# Allegro board P2597_B04_Allegro_layout.brd (continued)
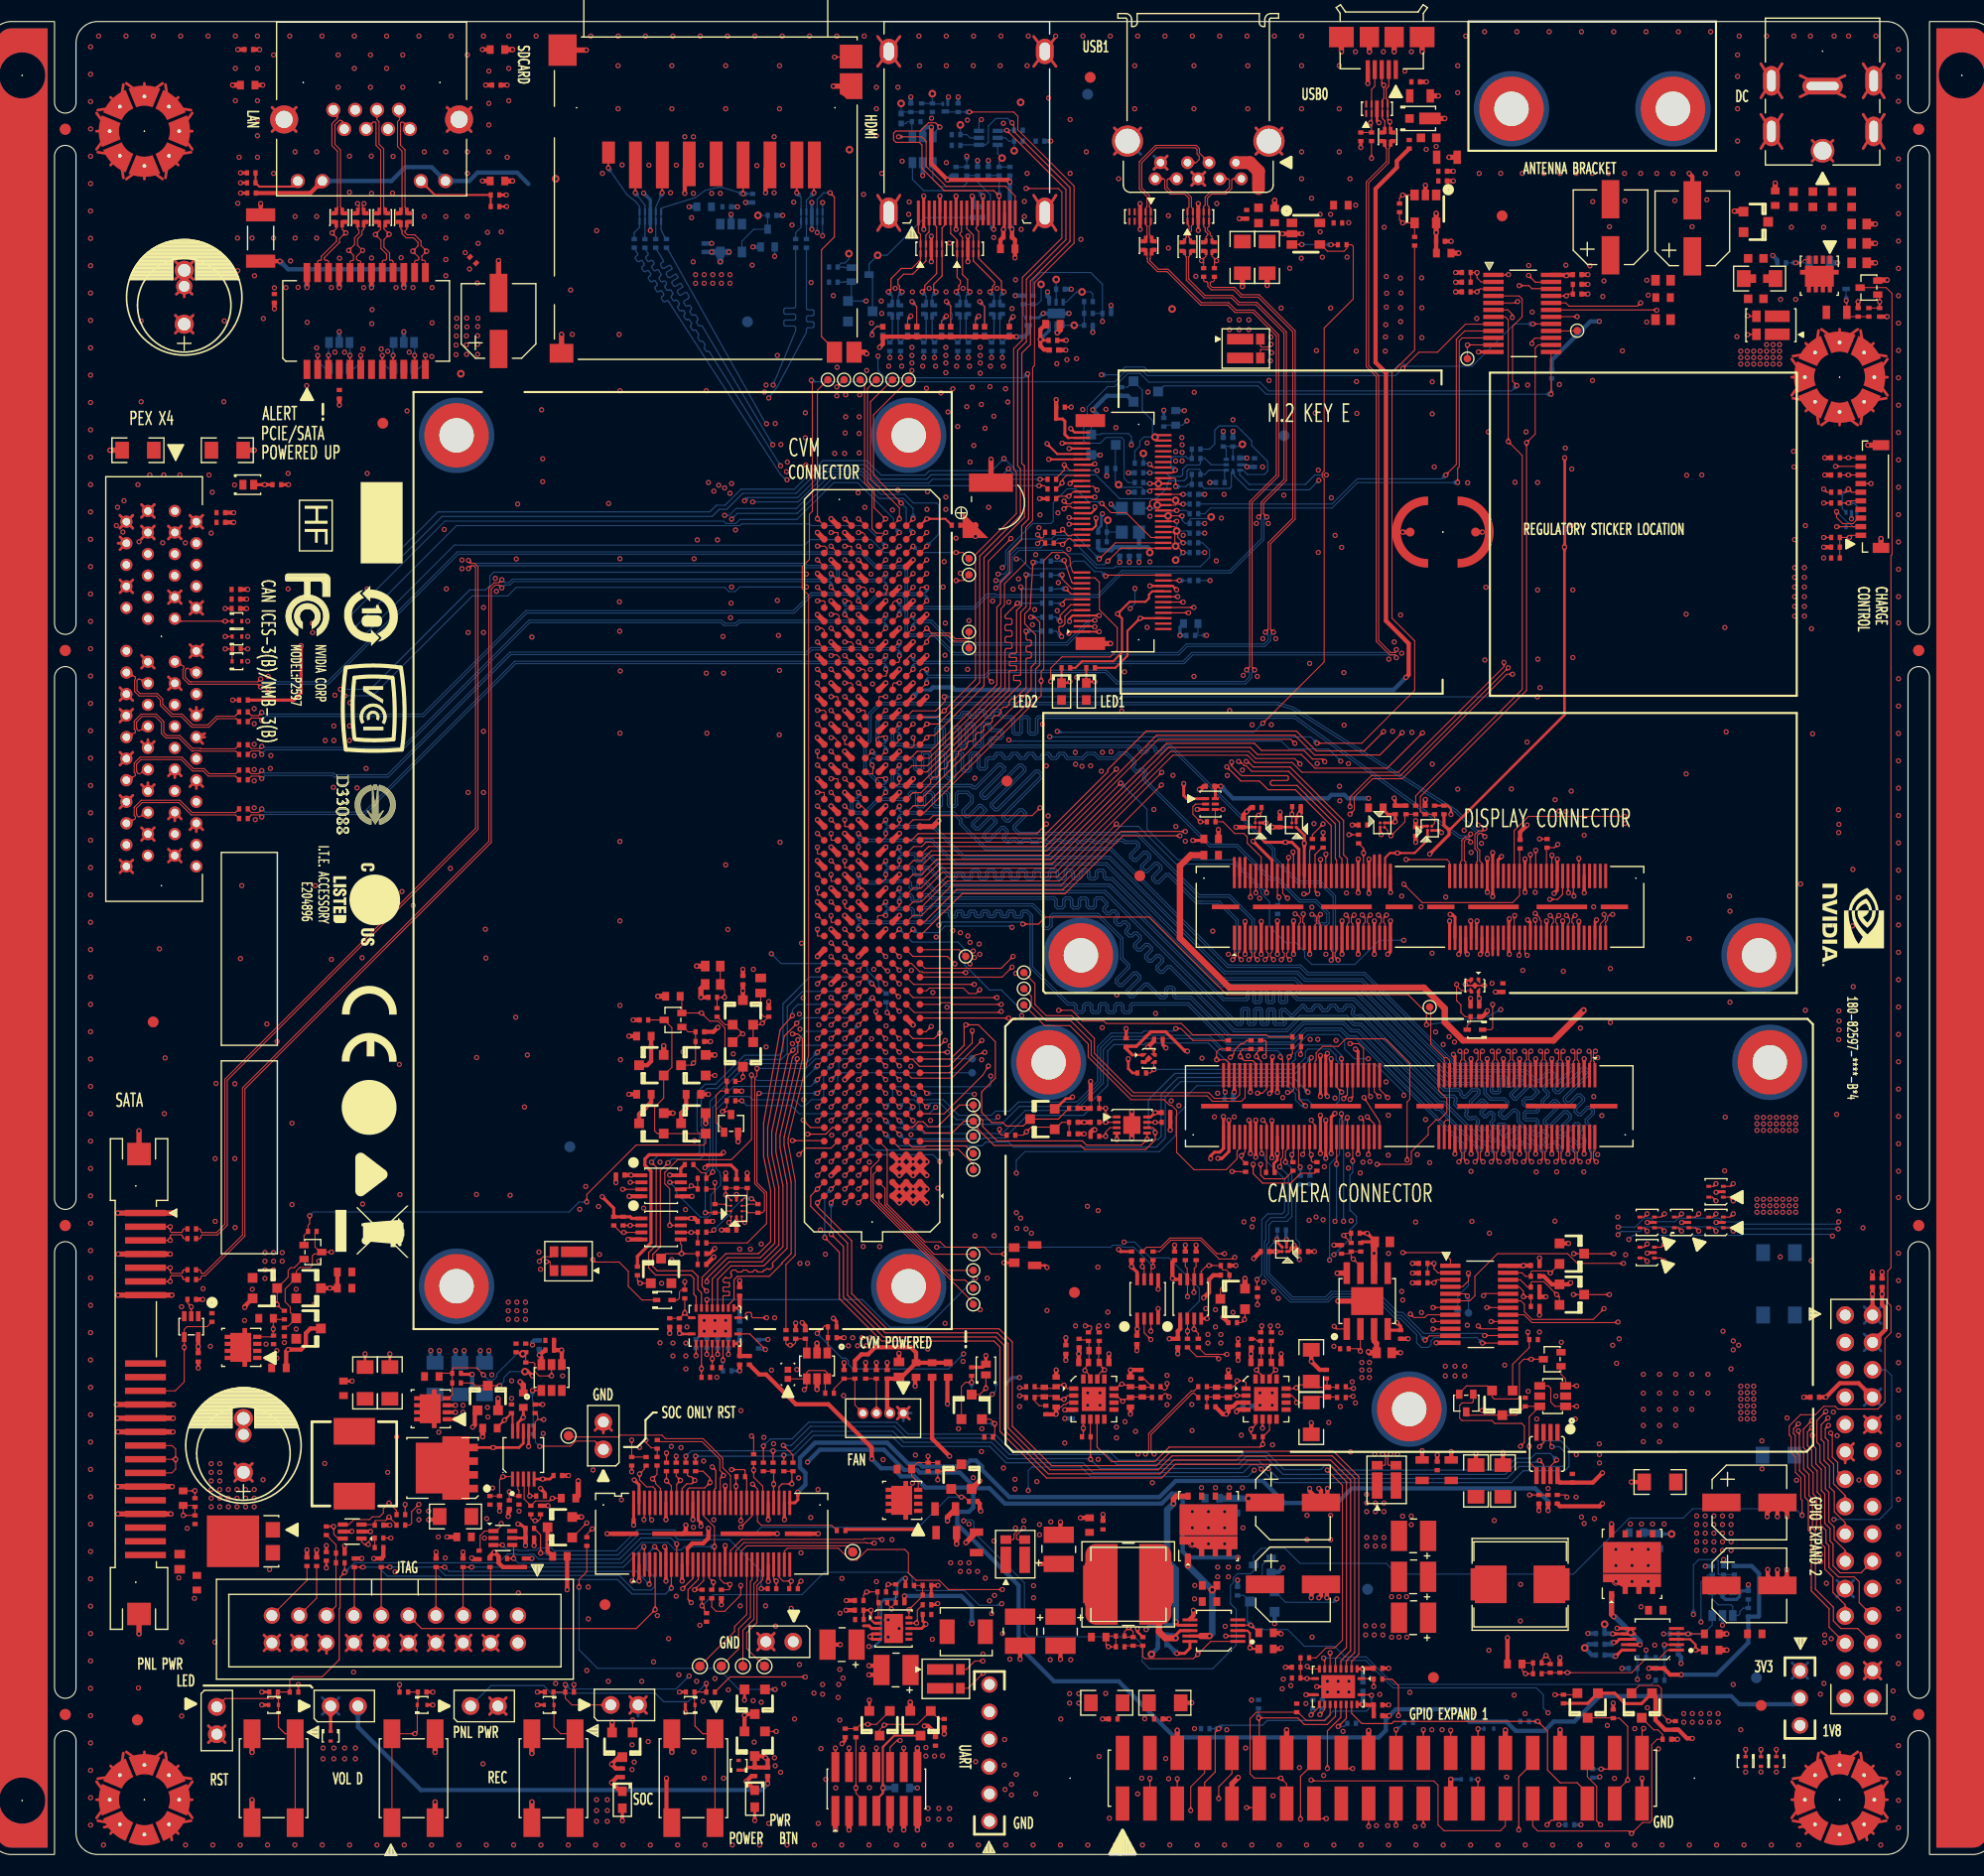
[diagram p0: board, top side]
## Routing (per net, layer and track width the routed paths; a pad name or vN(x,y) marks a point on that pad's centre or on a via; arc(x,y) is an arc through that point) (continued)
  BOTTOM w0.111: R538.2 v1(107.75,128.28) 109.25,128.28 109.6,127.93 110.62,127.93 110.8,128.11 110.8,128.61 111.2,129 112.32,129 112.45,129.13 R316.2 112.88,129.61 113.45,129.03 U501.6 ; v1(37.87,120.9) 41.63,124.66 66.88,124.66 67.5,125.27 68.3,125.27 69.78,126.76 74.72,126.76 77.37,129.41 81.46,129.41 82.79,128.07 86.88,128.07 87.28,128.48 93.07,128.48 v1(94.2,129.61) 94.24,129.61 95.36,128.48 v1(102.85,128.48)
I2C_GP0_SCL_M2: length 5.4
  TOP w0.111: J18.60 109.88,128.28 v1(110.12,128.53)
  BOTTOM w0.111: v1(110.12,128.53) 109.7,128.96 109.7,129.56 109.92,129.78 111.1,129.78 111.27,129.61 R316.1 R318.1
I2C_GP0_SDA_3V3_LVL: length 273
  TOP w0.111: J21.3 v1(107.76,7.07)
  L3 w0.12: v1(94.62,128.66) 94.53,128.56 94.53,123.09 95.51,122.12 97.53,122.12 97.73,121.92 97.73,121.36 97.94,121.15 97.94,111.05 99.38,109.61 99.38,105.57 101.81,103.14 104.48,103.14 104.91,102.72 104.91,102.08 104.08,101.25 104.08,100.34 100.69,96.95 100.69,94.79 98,92.1 98,85.22 97.51,84.72 97.51,79.56 101.36,75.7 101.36,72.32 98.2,69.16 98.2,65.63 97.52,64.95 97.52,57.05 97.16,56.68 97.16,41.86 96.42,41.13 96.42,36.65 94.67,34.9 94.67,33.62 94.2,33.15 94.2,28.75 95.14,27.81 95.33,27.62 95.33,23.27 93.08,21.02 93.08,20.32 91.84,19.08 91.84,11.89 91.43,11.48 91.43,10.17 92.13,9.47 94.63,9.47 96.13,7.97 96.13,6.36 95.3,5.53 v1(94.9,5.53)
  L4 w0.12: v1(94.9,5.53) 95.42,5.01 103.52,5.01 106.06,7.55 107.28,7.55 v1(107.76,7.07) ; v1(37.85,120.08) 37.35,120.58 18.85,120.58 17.85,119.58 12.83,119.58 12.67,119.74
  BOTTOM w0.111: R524.2 114.7,128.38 U501.5 113.25,128.53 112.85,128.13 R317.2 112.45,128.5 112.35,128.61 111.35,128.61 111.2,128.46 111.2,127.8 110.94,127.54 109.53,127.54 109.35,127.36 109.35,126.88 108.35,125.88 104.95,125.88 102.73,128.1 95.18,128.1 v1(94.62,128.66) 94.07,128.1 87.44,128.1 87.03,127.69 82.63,127.69 81.3,129.03 77.53,129.03 74.88,126.38 69.94,126.38 68.45,124.89 67.76,124.89 67.1,124.23 42,124.23 v1(37.85,120.08)
I2C_GP0_SDA_M2: length 4.4
  TOP w0.111: v1(110.15,127) 110.15,127.68 110.05,127.78 J18.58
  BOTTOM w0.111: v1(110.15,127) 111.1,127 111.3,127.2 R319.1 R317.1
I2C_GP1_CLK_3V3: length 355.7
  TOP w0.111: J13.A21 86.76,86.54 89.8,89.58 99.67,89.58 99.67,89.58 105.07,94.98 v1(111.05,94.98) ; 118.22,40.41 v1(118.22,39.58) ; R208.1 122.85,94.68 v1(123.85,95.68) ; U30.2 144.97,37.98 v1(145.1,37.85) ; R73.2 v1(64.65,36.98) ; U29.22 145,145.38 143.25,145.38 142.97,145.66 v1(142.06,145.66) ; R107.2 v1(72.75,37.48) ; J21.28 v1(138.24,11.67) ; v1(147.1,51.98) Q26.3 v1(150.45,51.98) ; 102.22,40.41 102.22,38.8 R152.1 v1(102.25,36.68)
  L3 w0.12: v1(150.45,51.98) 150.06,52.37 150.06,65.45 149.85,65.66 149.85,67.51 151.46,69.12 151.46,87.72 149.79,89.38 149.79,94.73 145.23,99.29 145.23,133.21 144.25,134.19 144.25,143.47 v1(142.06,145.66) ; v1(118.22,39.58) 118.75,39.05 v1(118.75,35.83) ; v1(123.85,95.68) 124.35,95.18 124.35,94.48 127.9,90.93 131.7,90.93 132.3,90.33 132.3,70.49 134.67,68.12 134.67,63.74 138.66,59.75 138.76,59.75 138.76,59.75 139.01,59.75 139.02,59.75 145.83,59.75 147.65,57.93 147.65,52.53 v1(147.1,51.98) 147.65,51.43 147.65,44.53 146.46,43.34 146.46,39.86 145.06,38.47 145.06,37.89 v1(145.1,37.85) 144.47,37.23 144,37.23 142.52,35.76 142.52,32.6 140.55,30.63 140.55,13.98 v1(138.24,11.67)
  L4 w0.12: v1(111.05,94.98) 112.05,94.98 112.35,94.68 116.65,94.68 116.9,94.93 123.1,94.93 v1(123.85,95.68)
  BOTTOM w0.111: v1(138.24,11.67) 138.25,11.68 D33.1 ; v1(64.65,36.98) 65.15,37.48 v1(72.75,37.48) 74.54,37.48 76.35,39.29 83.88,39.29 84.89,38.27 93.03,38.27 94.55,36.75 102.18,36.75 v1(102.25,36.68) 103.09,35.84 116.11,35.84 116.83,36.56 117.86,36.56 118.24,36.18 118.26,36.18 118.41,36.03 118.55,36.03 v1(118.75,35.83) 119.67,34.91 140.93,34.91 142.05,36.03 146.1,36.03 146.3,36.23 146.3,37.35 145.8,37.85 v1(145.1,37.85)
I2C_GP1_DAT_3V3: length 372.5
  TOP w0.111: U29.23 145,145.98 143.57,145.98 v1(142.94,146.61) ; v1(150.85,55.78) Q25.3 v1(147.12,55.78) ; v1(143.95,37.85) 144.32,38.23 U30.3 ; R108.2 v1(73.75,37.08) ; J13.A20 90.32,89.2 99.51,89.2 99.52,89.2 99.83,89.2 99.86,89.23 99.89,89.23 105.24,94.58 v1(110.55,94.58) ; R76.2 v1(65.55,36.98) ; 118.88,40.41 118.88,39.41 R197.1 v1(118.25,38.08) 117.99,37.82 109.55,37.82 108.21,36.48 104.2,36.48 102.85,37.83 102.85,40.39 102.88,40.41 ; J21.27 v1(138.24,6.97) ; R210.1 v1(123.85,94.88)
  L3 w0.12: v1(118.1,35.78) 118.1,37.93 v1(118.25,38.08) ; v1(150.85,55.78) 150.38,56.25 150.38,65.66 150.19,65.85 150.19,67.39 151.78,68.98 151.78,87.85 150.21,89.42 150.21,94.77 145.55,99.42 145.55,133.34 144.57,134.32 144.57,143.6 142.94,145.23 v1(142.94,146.61) ; v1(123.85,94.88) 123.85,94.38 127.65,90.58 131.59,90.58 131.95,90.22 131.95,70.39 134.35,67.99 134.35,63.6 138.57,59.38 145.75,59.38 147.33,57.8 147.33,55.98 v1(147.12,55.78) 147.33,55.58 147.33,52.88 146.67,52.23 146.67,51.41 147.33,50.75 147.33,44.68 146.14,43.49 146.14,40.04 v1(143.95,37.85) 143.95,37.68 142.12,35.86 142.12,32.82 140.23,30.93 140.23,14.32 137.75,11.84 137.75,7.46 v1(138.24,6.97)
  L4 w0.12: v1(123.85,94.88) 123.55,94.58 117.05,94.58 116.8,94.33 112.25,94.33 112,94.58 v1(110.55,94.58)
  BOTTOM w0.111: D32.1 138.23,6.98 v1(138.24,6.97) ; v1(143.95,37.85) 144.5,38.41 145.92,38.41 146.7,37.63 146.7,36.03 146.3,35.63 142.45,35.63 141.35,34.53 119.35,34.53 v1(118.1,35.78) 117.7,36.18 117.15,36.18 116.43,35.46 102.47,35.46 101.56,36.37 94.39,36.37 92.88,37.89 84.74,37.89 83.72,38.91 76.51,38.91 74.68,37.08 v1(73.75,37.08) 73.65,36.98 v1(65.55,36.98)
I2C_GP1_SCL: length 4.2
  TOP w0.111: J10.20 64.3,33.98 64.73,34.41 65.18,34.41 v1(65.5,34.73) 65.15,35.08 64.95,35.08 64.8,35.23 64.8,35.43 R73.1
I2C_GP1_SCL_1V8_LVL: length 6.8
  TOP w0.1: Q26.2 145.81,51.72 v1(145.55,51.98) 144.35,53.18 143.25,53.18 143.15,53.08 R247.2 142.85,52.68 142.18,53.35 U28.22
I2C_GP1_SDA: length 5.6
  TOP w0.111: R76.1 66.25,35.58 66.9,34.93 v1(66.9,34.53) 66.4,34.03 64.95,34.03 64.8,33.88 J10.22
I2C_GP1_SDA_1V8_LVL: length 5.8
  TOP w0.1: U28.23 142.32,54 142.65,53.68 R246.2 143.15,54.08 143.25,54.18 144.75,54.18 v1(144.95,53.98) Q25.2
I2C_GP2_CLK: length 113.6
  TOP w0.111: J13.C11 v1(84.49,73.21) ; D23.3 155.25,56.38 v1(155.55,56.68)
  L4 w0.12: v1(84.49,73.21) 85,72.7 86.95,72.7 95.04,64.61 95.85,64.61 99.52,60.93 114.86,60.93 115.27,60.52 152.25,60.52 153.69,59.08 154.33,59.08 154.8,58.61 154.8,57.43 v1(155.55,56.68) 156.23,56.68 156.58,56.33 157.17,56.33 165.88,47.62 165.88,39.45 167.3,38.03 169.97,38.03 171.8,36.2 173.71,36.2 J26.12
I2C_GP2_DAT: length 112.7
  TOP w0.111: J13.C10 v1(84.49,71.94) ; D24.5 153.65,58.18 v1(153.95,57.88)
  L4 w0.12: v1(84.49,71.94) 87.25,71.94 94.9,64.29 95.71,64.29 99.39,60.61 114.73,60.61 115.14,60.2 152.07,60.2 153.47,58.8 153.47,58.35 v1(153.95,57.88) 154.4,57.43 154.4,57.12 155.25,56.26 156.11,56.26 156.41,55.96 157.04,55.96 165.56,47.45 165.56,39.31 167.22,37.65 169.78,37.65 171.55,35.88 173.85,35.88 J26.14
I2C_GP3_CLK: length 122.4
  TOP w0.111: D24.4 153.65,59.18 v1(153.95,59.48) ; J13.C12 v1(84.49,74.48)
  L4 w0.12: v1(84.49,74.48) 85.62,74.48 95.17,64.93 95.98,64.93 99.66,61.25 114.99,61.25 115.41,60.84 152.59,60.84 v1(153.95,59.48) 154.39,59.48 155.14,58.74 155.14,57.69 155.44,57.39 156.01,57.39 156.7,56.7 157.34,56.7 166.2,47.83 166.2,39.77 167.49,38.48 175.55,38.48 176.05,37.98 176.05,30.92 J26.18
I2C_GP3_DAT: length 125.1
  TOP w0.111: D24.1 155.25,58.18 v1(155.55,57.88) ; v1(169.3,38.93) 169.3,38.03 169.63,37.7 169.63,36.26 170.13,35.76 170.13,33.79 170.45,33.47 170.45,30.75 170.94,30.26 170.94,29.1 171.22,28.83 171.22,26.81 171.88,26.15 173.82,26.15 J26.20 ; J13.C13 v1(84.49,75.75)
  L4 w0.12: v1(169.3,38.93) 167.5,38.93 166.53,39.9 166.53,47.99 157.41,57.1 156.8,57.1 156.03,57.88 v1(155.55,57.88) 155.55,58.88 155.09,59.34 155.09,60.07 153.99,61.16 115.54,61.16 115.13,61.58 114.86,61.58 99.79,61.57 96.11,65.25 95.3,65.25 85.76,74.8 85.44,74.8 v1(84.49,75.75)
I2C_PM_CLK: length 152.6
  TOP w0.111: U11.6 108.05,67.48 108.25,67.28 v1(108.25,67.03) 108.25,66.34 107.37,65.46 101.71,65.46 101.34,65.83 93.3,65.83 91.75,67.38 91.75,67.68 TP20.1 90.48,68.08 89.4,66.99 86.9,66.99 J13.A6 ; J27.5 172.85,125.68 v1(172.65,125.48) R269.1 ; v1(122.75,73.98) 122.6,73.83 J22.87
  L3 w0.12: v1(172.65,125.48) 173.51,124.62 173.51,97.94 172.75,97.18 172.75,94.93 171.41,93.59 171.41,79.65 172.23,78.83 172.23,77.84 v1(171.78,77.39)
  L4 w0.12: v1(122.75,73.98) 122.75,73.45 123.22,72.98 149.75,72.98 153.65,76.88 171.27,76.88 v1(171.78,77.39)
  BOTTOM w0.111: v1(172.65,125.48) 173.15,125.48 173.42,125.2 D34.3 ; v1(122.75,73.98) 121.29,72.52 110.07,72.52 107.62,70.08 107.62,67.66 v1(108.25,67.03)
I2C_PM_DAT: length 158
  TOP w0.111: J27.6 172.95,126.48 v1(172.65,126.78) 172.35,126.48 R268.1 ; v1(122.45,70.78) 122.1,71.13 J22.89 ; U11.5 v1(107.49,66.38) 106.97,65.86 101.88,65.86 101.49,66.25 93.55,66.25 92.22,67.58 92.22,68.16 91.35,69.03 TP19.1 90.05,69.58 88.05,67.58 87.15,67.58 86.7,68.03 86.22,68.03 85.69,67.49 85.12,67.49
  L3 w0.12: v1(171.78,76.56) 172.68,77.46 172.68,79.04 171.8,79.92 171.8,93.29 173.09,94.58 173.09,97.02 173.83,97.76 173.83,125.6 v1(172.65,126.78)
  L4 w0.12: v1(171.78,76.56) 153.78,76.56 149.88,72.66 123.18,72.66 122.45,71.93 v1(122.45,70.78)
  BOTTOM w0.111: v1(172.65,126.78) 172.07,126.2 172.07,124.95 D34.1 ; v1(107.49,66.38) 108.51,66.38 108.8,66.67 108.8,70.56 110.38,72.14 121.09,72.14 v1(122.45,70.78)
I2S1_CLK: length 128.7
  TOP w0.111: v1(158.75,57.88) 158.45,58.18 D22.1 ; v1(169.25,40.28) 168.47,39.5 168.47,37.78 168.86,37.39 168.86,35.95 169.37,35.44 169.37,33.48 169.69,33.15 169.69,30.43 170.18,29.94 170.18,28.79 170.46,28.51 170.46,27.88 170.46,26.49 171.21,25.74 171.21,24.32 172.35,23.18 J26.23 ; J13.C15 v1(84.49,78.29)
  L4 w0.12: v1(84.49,78.29) 84.98,77.8 87.47,77.8 89.77,75.5 89.77,73.41 95.37,67.82 95.37,67.06 95.82,66.61 96.58,66.61 100.32,62.86 114.33,62.86 115.66,62.86 116.07,62.45 154.85,62.45 157.88,59.41 157.88,58.74 v1(158.75,57.88) 167.81,48.82 167.81,42.46 168.66,41.61 168.66,40.87 v1(169.25,40.28)
I2S1_LRCLK: length 131.4
  TOP w0.111: J26.26 173.51,20.98 171.95,20.98 171.25,21.68 171.25,22.96 169.58,24.63 169.58,30 169.31,30.27 169.31,33 168.99,33.32 168.99,35.29 168.48,35.79 168.48,37.23 168.09,37.62 168.09,39.24 v1(168,39.33) ; J13.D13 v1(83.22,75.75) ; D24.3 155.25,59.18 v1(155.55,59.48)
  L4 w0.12: v1(168,39.33) 167.45,39.88 167.45,41.46 166.85,42.06 166.85,48.19 157.57,57.47 156.96,57.47 156.32,58.11 156.32,58.7 v1(155.55,59.48) 155.55,60.11 154.17,61.49 115.67,61.49 115.26,61.9 114.73,61.9 99.92,61.9 96.22,65.6 95.42,65.6 94.36,66.67 94.36,67.46 94.08,67.74 93.27,67.74 84.85,76.16 83.63,76.16 v1(83.22,75.75)
I2S1_SDIN: length 131.1
  TOP w0.111: v1(168,39.98) 167.55,39.53 167.55,39.08 167.71,38.92 167.71,37.47 168.1,37.07 168.1,35.63 168.61,35.13 168.61,33.16 168.93,32.84 168.93,30.12 169.2,29.84 169.2,24.79 169.2,24.47 170.85,22.83 170.85,21.1 J26.25 ; D22.5 156.85,58.18 v1(157.15,57.88) ; J13.C14 v1(83.34,78.17)
  L4 w0.12: v1(83.34,78.17) 88.95,72.56 88.95,72.51 93.39,68.07 94.2,68.07 94.7,67.57 94.7,66.79 95.56,65.93 96.35,65.93 100.06,62.22 114.6,62.22 114.6,62.22 115.39,62.22 115.58,62.03 115.58,62.03 115.8,61.81 154.34,61.81 156.68,59.47 156.68,58.35 v1(157.15,57.88) 157.65,57.88 167.17,48.36 167.17,42.2 168,41.36 v1(168,39.98)
  BOTTOM w0.111: v1(83.34,78.17) 83.34,79.04 R585.2
I2S1_SDOUT: length 130.8
  TOP w0.111: D22.4 156.85,59.18 v1(157.15,59.48) ; J26.24 173.65,23.38 173.65,25.31 173.19,25.77 171.72,25.77 170.84,26.65 170.84,26.97 170.84,26.97 170.84,28.67 170.56,28.95 170.56,30.1 170.07,30.59 170.07,33.31 169.75,33.63 169.75,35.6 169.25,36.11 169.25,37.55 168.85,37.94 168.85,39.23 v1(169.25,39.63) ; v1(82.3,78.28) 82.3,77.94 J13.D14
  L4 w0.12: v1(169.25,39.63) 168.34,40.54 168.34,41.48 167.49,42.33 167.49,48.54 157.56,58.46 157.56,59.07 v1(157.15,59.48) 154.5,62.13 115.94,62.13 115.9,62.16 115.53,62.54 114.46,62.54 114.46,62.54 100.19,62.54 96.47,66.25 95.71,66.25 95.04,66.92 95.04,67.69 91.7,71.03 91.1,71.03 83.52,78.61 82.63,78.61 v1(82.3,78.28)
I2S2_CLK: length 134.2
  TOP w0.111: v1(75.15,64.98) 75.75,65.58 78.13,65.58 J13.G5 ; J18.8 v1(111.35,115.28)
  L3 w0.12: v1(110.75,130.18) 110.76,130.18 111.2,129.73 111.2,127.08 111.68,126.6 111.68,116.66 111.35,116.33 v1(111.35,115.28) ; v1(67.7,127.13) 67.7,126.28 70.31,123.68 70.31,92.25 71.37,91.19 71.37,83.29 73.39,81.27 73.39,68.98 75.15,67.23 v1(75.15,64.98)
  L4 w0.12: v1(110.75,130.18) 110.75,130.3 110.32,130.73 109.86,130.73 109.35,130.22 105.78,130.22 104.98,131.02 102.01,131.02 101.13,131.9 101.13,131.9 101.05,131.98 90.74,131.98 87.37,128.61 80.12,128.61 80.12,128.61 77.58,128.61 75.8,126.82 70.13,126.82 69.19,127.76 68.33,127.76 v1(67.7,127.13)
I2S2_LRCLK: length 133.4
  TOP w0.111: v1(74.55,66.28) 77.45,66.28 77.5,66.22 ; J18.10 v1(111.85,115.78)
  L3 w0.12: v1(110.75,130.88) 111.53,130.09 111.53,127.2 112,126.74 112,116.52 111.85,116.37 v1(111.85,115.78) ; v1(74.55,66.28) 74.55,67.37 73.07,68.85 73.07,81.13 71.05,83.16 71.05,91.06 69.99,92.12 69.99,123.54 67.25,126.28 v1(67.25,126.58)
  L4 w0.12: v1(110.75,130.88) 110.52,131.11 109.76,131.11 109.23,130.58 107.13,130.58 106.37,131.34 102.14,131.34 101.27,132.22 101.26,132.22 101.18,132.3 101.18,132.3 100.6,132.88 91.19,132.88 90.61,132.3 90.61,132.3 90.42,132.11 90.42,132.11 87.24,128.93 77.45,128.93 75.66,127.14 70.26,127.14 69.32,128.08 68,128.08 67.25,127.33 v1(67.25,126.58)
I2S2_SDIN: length 127.4
  TOP w0.111: J18.12 v1(110.85,116.28) ; v1(75.95,66.88) 77.65,66.88 78.26,67.49 J13.G6
  L3 w0.12: v1(75.95,66.88) 73.71,69.12 73.71,81.4 71.69,83.42 71.69,91.4 70.72,92.37 70.72,123.72 68.25,126.19 v1(68.25,126.88) ; v1(110.85,116.28) 111.36,116.79 111.36,126.47 110.75,127.08 v1(110.75,129.38)
  L4 w0.12: v1(68.25,126.88) 69.62,126.88 70,126.5 75.93,126.5 77.72,128.29 79.98,128.29 79.98,128.29 87.5,128.29 90.8,131.58 101,131.58 101.88,130.7 104.63,130.7 105.49,129.85 110.28,129.85 v1(110.75,129.38)
I2S2_SDOUT: length 132.2
  TOP w0.111: 77.5,67.49 76.24,67.49 v1(75.55,68.18) ; J18.14 v1(110.35,116.78)
  L3 w0.12: v1(68.75,126.38) 68.75,126.14 71.04,123.85 71.04,92.5 72.01,91.53 72.01,83.56 74.03,81.53 74.03,69.7 v1(75.55,68.18) ; v1(110.35,116.78) 110.94,117.37 110.94,119.97 110.3,120.62 110.3,122.87 109.67,123.49 109.67,128.91 v1(110.15,129.38)
  L4 w0.12: v1(68.75,126.38) 69.55,126.38 69.75,126.18 76.06,126.18 77.85,127.97 79.85,127.97 79.85,127.97 87.64,127.97 89.75,130.08 97.28,130.08 97.41,130.21 97.41,130.38 97.26,130.54 92.87,130.54 92.72,130.68 92.72,130.85 92.91,131.03 97.36,131.03 98.31,130.08 101.65,130.08 101.95,130.38 104.19,130.38 105.05,129.52 109.4,129.52 109.54,129.38 v1(110.15,129.38)
I2S3_CLK: length 63.6
  TOP w0.111: v1(126.6,64.38) 126.6,64.38 J22.72 ; J13.E6 v1(80.68,66.86)
  L4 w0.12: v1(124.85,55.68) 122.79,57.74 121.88,57.74 121.5,58.12 119.09,58.12 117.84,56.86 114.62,56.86 113.6,57.88 104.74,57.88 103.92,57.06 98.47,57.06 95.22,60.3 94.03,60.3 v1(89.3,65.03)
  BOTTOM w0.111: v1(80.68,66.86) 82.14,65.4 88.93,65.4 v1(89.3,65.03) ; v1(126.6,64.38) 126.6,63.33 126.34,63.07 126.34,59.83 126.44,59.73 126.45,59.73 126.95,59.23 126.95,58.58 126.34,57.97 126.34,57.17 v1(124.85,55.68)
I2S3_LRCLK: length 64.3
  TOP w0.111: v1(126.1,68.43) 126.1,68.43 J22.74 ; J13.F5 v1(79.41,65.59)
  L4 w0.12: v1(125.75,58.78) 125.03,58.06 122.02,58.06 121.64,58.44 118.96,58.44 117.7,57.18 114.75,57.18 113.73,58.2 104.61,58.2 103.79,57.38 98.6,57.38 95.35,60.63 94.27,60.63 89.07,65.83 81.02,65.83 80.85,66 79.82,66 v1(79.41,65.59)
  BOTTOM w0.111: v1(126.1,68.43) 125.75,68.08 v1(125.75,58.78)
I2S3_SDIN: length 67.2
  TOP w0.111: v1(125.55,68.78) 125.6,68.73 J22.76 ; J13.E5 v1(80.68,65.59)
  L4 w0.12: v1(124.45,55.18) 124.45,55.63 122.66,57.42 121.75,57.42 121.37,57.8 119.22,57.8 117.97,56.54 114.49,56.54 113.69,57.34 113.46,57.56 104.88,57.56 104.05,56.74 98.33,56.74 96.49,58.58 94.24,58.58 88.49,64.33 v1(88.25,64.33)
  BOTTOM w0.111: v1(124.45,55.18) 124.45,64.09 125.37,65.01 125.37,68.24 125.55,68.42 v1(125.55,68.78) ; v1(80.68,65.59) 81.3,64.97 87.61,64.97 v1(88.25,64.33)
I2S3_SDOUT: length 59.7
  TOP w0.111: v1(125.1,64.1) 125.1,64.1 J22.78 ; J13.F6 v1(79.41,66.86)
  L4 w0.12: v1(79.41,66.86) 79.94,66.32 80.98,66.32 81.16,66.15 89.2,66.15 94.35,61 94.6,61 95.43,61 98.73,57.7 103.66,57.7 104.48,58.53 113.86,58.53 114.89,57.5 117.57,57.5 118.83,58.76 121.77,58.76 121.96,58.57 121.96,58.57 122.15,58.38 124.55,58.38 v1(124.95,58.78)
  BOTTOM w0.111: v1(124.95,58.78) 125.1,58.93 v1(125.1,64.1)
IFP_TERM_EN: length 15.5
  TOP w0.4: v1(82.65,139.93) 82.95,140.23 LB1.1 LB2.1 LB3.1 LB4.1 LB5.1 LB6.1 LB7.1 LB8.1 v1(95.36,140.92)
  BOTTOM w0.4: Q505.3 96.45,141.28 96.09,140.92 v1(95.36,140.92)
IFP_TERM_EN_TXCN: length 2.1
  TOP w0.1: LB8.2 94.7,142.43 v1(95.05,142.78)
  BOTTOM w0.1: v1(95.05,142.78) 94.7,142.43 R562.1
IFP_TERM_EN_TXCP: length 5
  TOP w0.1: LB7.2 92.4,143.73 v1(91.95,144.18)
  BOTTOM w0.1: R566.1 92.4,143.73 v1(91.95,144.18)
IFP_TERM_EN_TXD0N: length 2.1
  TOP w0.1: v1(91.85,142.83) 91.55,142.53 LB6.2
  BOTTOM w0.1: v1(91.85,142.83) 91.55,142.53 R567.1
IFP_TERM_EN_TXD0P: length 5
  TOP w0.1: v1(88.85,144.18) 89.25,143.78 LB5.2
  BOTTOM w0.1: R575.1 89.25,142.48 89.38,142.61 89.38,143.05 89.25,143.18 89.25,143.78 v1(88.85,144.18)
IFP_TERM_EN_TXD1N: length 2.3
  TOP w0.1: LB4.2 88.4,142.38 v1(88.85,142.83)
  BOTTOM w0.1: R576.1 88.4,142.38 v1(88.85,142.83)
IFP_TERM_EN_TXD1P: length 5
  TOP w0.1: v1(85.65,144.18) 86.1,143.73 LB3.2
  BOTTOM w0.1: v1(85.65,144.18) 86.1,143.73 R581.1
IFP_TERM_EN_TXD2N: length 2.1
  TOP w0.1: v1(85.55,142.83) 85.25,142.53 LB2.2
  BOTTOM w0.1: R582.1 85.25,142.53 v1(85.55,142.83)
IFP_TERM_EN_TXD2P: length 3.1
  TOP w0.1: v1(81.95,141.08) 81.95,141.43 82.36,141.84 LB1.2
  BOTTOM w0.1: v1(81.95,141.08) 81.95,141.48 82.4,141.93 R586.1
INA_1_A0: length 1.9
  TOP w0.111: R197.2 117.15,39.08 v1(117.15,39.48) 117.57,39.91 117.57,40.41
INA_3_A0: length 1.7
  TOP w0.111: R152.2 101.57,38.91 v1(101.57,39.58) 101.57,40.41
IR_READY: length 28.4
  TOP w0.1: J22.111 116.6,70.27 116.26,69.93 113.57,69.93 113.07,70.43 106.08,70.43 102.31,74.2 102.31,75.5 100.4,77.41 98.12,77.41 96.75,78.78 96.75,79.68 TP29.1
IR_TRIGGER: length 28.8
  TOP w0.1: J22.113 116.1,70.55 115.75,70.2 113.75,70.2 113.22,70.73 106.25,70.73 102.6,74.38 102.6,75.78 100.5,77.88 98.12,77.88 97.07,78.93 97.07,80.86 TP28.1
JTAG_17: length 5.3
  TOP w0.1: R16.1 30.35,23.8 J7.17
JTAG_19: length 6
  TOP w0.1: J7.19 29.45,25.44 R15.1
JTAG_AP_RTCK: length 126
  TOP w0.111: v1(61.75,28.58) 62.3,28.03 J10.11 ; v1(94.65,77.65) J13.A14 ; v1(37.15,26.68) R29.1 J7.11
  L3 w0.12: v1(94.65,77.65) 93.83,76.84 93.83,72.46 94.24,72.05 94.24,70.22 94.77,69.69 94.77,66.4 94.23,65.86 94.23,57.2 95.75,55.68 95.75,45.1 95.24,44.59 95.24,41.37 95.69,40.92 95.69,37.42 v1(94.15,35.88)
  L4 w0.12: v1(94.15,35.88) 93.81,36.22 91.09,36.22 85.55,30.68 82.08,30.68 80.83,29.43 78.16,29.43 77.19,28.46 74.72,28.46 74.11,27.85 62.48,27.85 v1(61.75,28.58)
  BOTTOM w0.111: v1(37.15,26.68) 41.51,26.68 42.29,25.9 58.47,25.9 59.81,24.56 61.43,24.56 61.75,24.88 61.75,25.7 61.03,26.42 61.03,27.86 v1(61.75,28.58)
JTAG_AP_TCK: length 126.1
  TOP w0.111: v1(91.25,76.48) 91.25,75.34 89.09,73.18 86.35,73.18 85.68,73.84 85.12,73.84 ; J10.9 61.8,22.73 v1(61.8,22.73) 60.05,20.98 40.09,20.98 J7.9
  L3 w0.12: v1(91.25,76.48) 91.25,74.08 92.07,73.25 92.07,71.98 92.81,71.25 92.81,58.02 92.54,57.75 92.54,55.2 94.22,53.52 94.22,45.98 93.66,45.42 93.66,40.74 94.17,40.23 94.17,37.93 92.78,36.54 92.78,34.37 92.49,34.07 92.49,31.74 92.07,31.32 92.07,28.63 93.42,27.29 93.42,24.76 93.32,24.66 v1(93.32,24.05)
  L4 w0.12: v1(61.8,22.73) 62.26,22.73 62.71,22.28 73.23,22.28 74.28,23.34 76.72,23.34 77.8,24.42 80.01,24.42 80.87,23.56 86.19,23.56 87.13,24.51 92.87,24.51 v1(93.32,24.05)
JTAG_AP_TDI: length 103.7
  TOP w0.111: v1(60.75,28.58) 60.8,28.53 J10.5 ; 85.12,75.11 85.76,74.48 v1(88.95,74.48) ; v1(44.75,26.68) R39.2 43.95,22.2 J7.5
  L3 w0.12: v1(88.95,74.48) 90.72,72.71 90.72,66.06 91.09,65.68 91.09,58.72 90.47,58.09 90.47,51.1 91.81,49.76 91.81,45.12 90.7,44 90.7,43.63 91.4,42.93 91.4,37.3 91.45,37.25 v1(91.45,35.78)
  L4 w0.12: v1(60.75,28.58) 61.87,27.47 76.65,27.47 78.29,29.1 80.99,29.1 82.21,30.33 85.65,30.33 91.1,35.78 v1(91.45,35.78)
  BOTTOM w0.111: v1(44.75,26.68) 58.85,26.68 v1(60.75,28.58)
JTAG_AP_TDO: length 118.4
  TOP w0.111: J7.13 33.85,22.22 R22.1 v1(34.65,26.68) ; J13.A13 86.95,76.38 v1(87.45,76.88) ; J10.15 63.3,24.73 v1(63.3,24.73)
  L3 w0.12: v1(87.45,76.88) 87.81,76.52 87.81,73.91 89.7,72.02 89.7,65.72 90.13,65.28 90.13,59.26 89.51,58.63 89.51,50.7 90.85,49.36 90.85,45.52 89.73,44.4 89.73,43.21 90.41,42.54 90.41,34.56 91.05,33.92 91.05,32.88 90.79,32.62 90.79,31.5 90.95,31.34 v1(90.95,30.68)
  L4 w0.12: v1(90.95,30.68) 88.73,28.46 78.56,28.46 76.77,26.68 64.75,26.68 63.3,25.23 v1(63.3,24.73)
  BOTTOM w0.111: v1(34.65,26.68) 36.09,26.68 36.93,25.84 41.69,25.84 42.01,25.52 58.31,25.52 59.65,24.18 62.76,24.18 v1(63.3,24.73)
JTAG_AP_TMS: length 106.9
  TOP w0.111: J10.7 61.3,25.13 v1(61.25,25.08) ; v1(88.75,75.58) 88.28,75.11 J13.A12 ; J7.7 41.43,26.66 R36.2 v1(42.25,26.68)
  L3 w0.12: v1(88.75,75.58) 88.45,75.28 88.45,74.18 90.38,72.25 90.38,65.95 90.77,65.55 90.77,58.91 90.15,58.28 90.15,50.97 91.49,49.63 91.49,45.25 90.38,44.13 90.38,43.48 91.05,42.81 91.05,35.28 v1(91.35,34.98)
  L4 w0.12: v1(61.25,25.08) 63.27,27.1 76.75,27.1 78.43,28.78 81.17,28.78 82.4,30.01 85.93,30.01 90.9,34.98 v1(91.35,34.98)
  BOTTOM w0.111: v1(42.25,26.68) 42.65,26.28 60.05,26.28 v1(61.25,25.08)
JTAG_AP_TRST_L: length 107.8
  TOP w0.111: R52.1 51.15,29.68 v1(51.15,27.98) ; v1(88.25,76.28) 87.72,75.75 85.76,75.75 85.12,76.38 ; R106.1 v1(71.65,24.68)
  L3 w0.12: v1(88.25,76.28) 88.13,76.16 88.13,74.05 90.04,72.14 90.04,65.84 90.45,65.42 90.45,59.05 89.83,58.43 89.83,50.84 91.17,49.49 91.17,45.38 90.05,44.27 90.05,43.35 90.73,42.67 90.73,34.7 91.45,33.97 91.45,32.76 91.17,32.48 91.17,31.6 91.45,31.32 91.45,28.38 92.47,27.36 v1(92.47,25.66)
  L4 w0.12: v1(92.47,25.66) 89.06,25.66 87.57,27.15 79.07,27.15 76.6,24.68 v1(71.65,24.68)
  BOTTOM w0.111: v1(71.65,24.68) 71.65,26.28 68.7,29.23 63.95,29.23 63.41,29.76 60.29,29.76 58.34,27.81 51.72,27.81 51.55,27.98 v1(51.15,27.98)
JTAG_CN_TRST_R_L: length 4.5
  TOP w0.1: R43.2 46.51,26.62 J7.3
JTAG_SRST_OD_L: length 8.2
  TOP w0.1: R17.1 32.15,28.76 R19.2 R20.2 32.15,23.06 J7.15
LCD1_BKLT_PWM: length 76.4
  TOP w0.111: J23.100 145.1,92.77 v1(145.11,92.78) ; v1(133.09,104.14) 129.8,100.86 123.1,100.86 121.83,102.13 117.75,102.13 117.09,102.79 109.48,102.79 98.68,91.98 88.09,91.98 86.72,90.61 86.65,90.61 J13.A24
  L3 w0.12: v1(145.75,96.88) 144.65,95.78 144.65,93.24 v1(145.11,92.78)
  L4 w0.12: v1(145.75,96.88) 141.11,96.88 134.76,103.24 134.75,103.24 133.84,104.14 v1(133.09,104.14)
LCD_BIAS_EN: length 61.2
  TOP w0.1: U28.8 133.55,50.1 133.3,49.86 132.27,49.86 v1(131.95,50.18) ; R244.1 142.1,93.36 J23.88 142.1,89.03 141.45,88.38 133.05,88.38 v1(131.35,90.08)
  L3 w0.1: v1(131.95,50.18) 131.95,51.53 131.54,51.95 131.54,52.44 130.75,53.23 130.75,71.04 131.08,71.37 131.08,84.43 130.75,84.76 130.75,85.48 131.55,86.28 131.55,89.88 v1(131.35,90.08)
LCD_BL_EN: length 39.5
  TOP w0.1: v1(97.55,97.18) 96.82,96.45 87.62,96.45 87.24,96.07 85.76,96.07 85.12,95.43 ; v1(117.1,88.88) 117.1,88.88 J23.8
  L4 w0.1: v1(97.55,97.18) 97.55,95.66 98.03,95.18 98.45,95.18 99.03,95.76 103.33,95.76 104.17,94.92 104.99,94.92 104.99,94.92 105.32,94.92 105.32,94.92 106.9,93.34 106.9,93.34 108.99,91.26 109.83,91.26 112.21,88.88 v1(117.1,88.88)
LCD_BL_PWM: length 37.6
  TOP w0.111: v1(117.6,89.28) 117.6,89.28 J23.10 ; v1(98.15,95.68) 97.25,94.78 86.22,94.78 85.61,94.16 85.12,94.16
  L4 w0.12: v1(98.15,95.68) 98.25,95.68 98.64,96.07 103.46,96.07 104.3,95.23 104.86,95.23 104.86,95.23 105.45,95.23 105.45,95.23 107.03,93.66 107.03,93.66 109.12,91.57 109.96,91.57 112.15,89.38 117.5,89.38 v1(117.6,89.28)
LCD_EN: length 62.8
  TOP w0.1: R182.1 v1(112.45,95.88) 111.75,96.58 111.75,97.28 112,97.53 U15.2 ; v1(131.55,92.38) 135.35,92.38 135.6,92.13 J23.62 ; v1(104.65,100.78) 97.85,93.98 86.95,93.98 86.55,93.58 85.81,93.58 85.12,92.89
  L4 w0.1: v1(104.65,100.78) 104.95,100.78 109.85,95.88 v1(112.45,95.88) 115,95.88 115.2,96.08 118.15,96.08 118.25,96.18 119.15,96.18 119.25,96.08 121.8,96.08 122.2,96.48 125.3,96.48 125.7,96.08 126.75,96.08 130.45,92.38 v1(131.55,92.38)
LCD_RST_L: length 9.6
  TOP w0.1: v1(114.55,97.03) U15.4 113.83,95.9 R182.2 114.55,95.88 115.64,94.79 116.49,94.79 116.8,94.48 116.8,93.91 118.1,92.61 J23.12
LCD_TE: length 42.3
  TOP w0.1: v1(105.05,99.48) 98.35,92.78 87.55,92.78 J13.A25 ; v1(118.6,89.28) 118.6,89.28 J23.14
  BOTTOM w0.1: v1(105.05,99.48) 107.49,97.04 107.49,95.21 110.35,92.35 115.53,92.35 v1(118.6,89.28)
LED1_L: length 9.6
  TOP w0.2: J18.6 v1(106.85,114.78) 105.67,113.61 105.67,111.3 104.55,110.18 R154.1
LED1_R_L: length 2.3
  TOP w0.2: R154.2 CR4.1 101.96,108.88 v1(102.65,108.88)
LED2_L: length 14.5
  TOP w0.2: J18.16 107.97,117.28 107.67,116.97 107.67,116.63 107.34,116.3 105.88,116.3 v1(104.75,115.18) 105.17,114.76 105.17,111.6 104.35,110.78 101.45,110.78 100.85,110.18 R146.1
